# Altium PCB MainBoard_Tuan.PcbDoc
Units mil, origin at the board's own origin, x right, y up, seen from the top; angles counter-clockwise.
Board outline 10491 x 7364.35 mil, 2 copper layers (Top Layer, Bottom Layer); 44 components, 90 nets, 436 pads, 0 vias.
Unrouted connection lines stored in the file: 266.
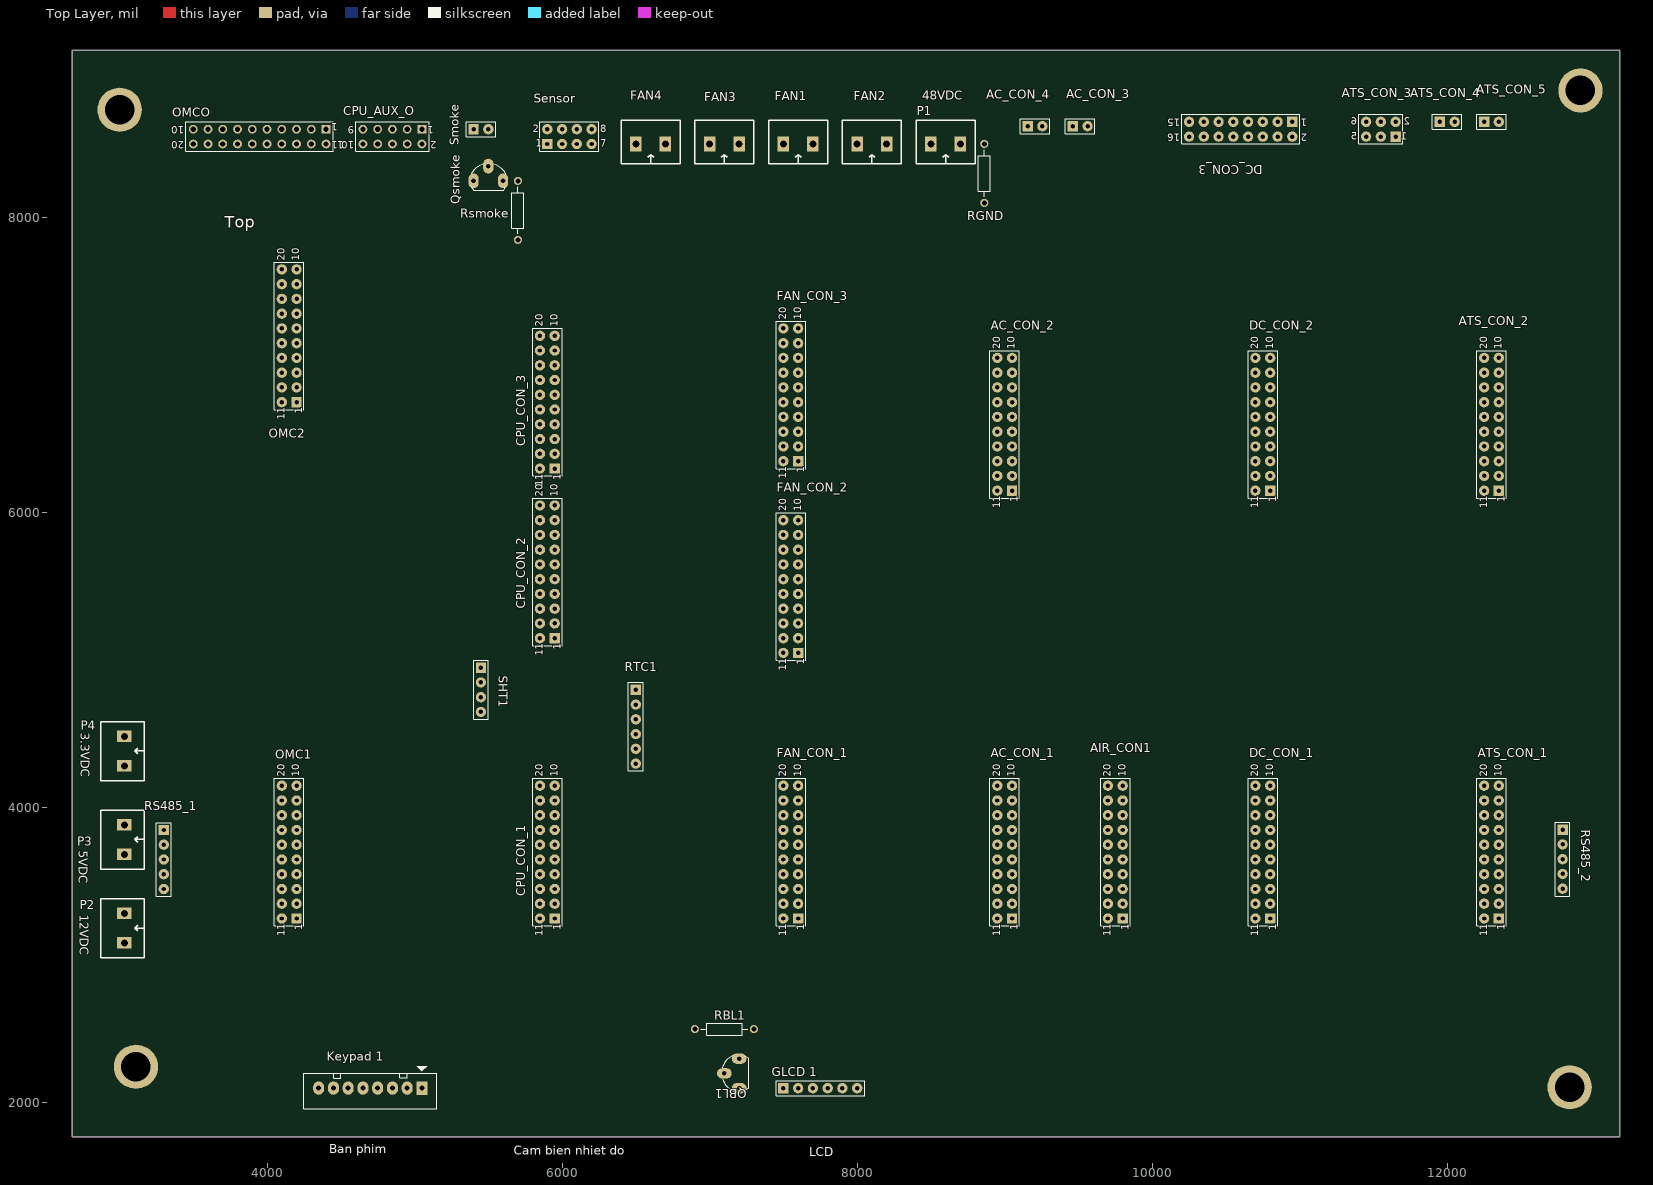
[diagram p0: Top Layer view]
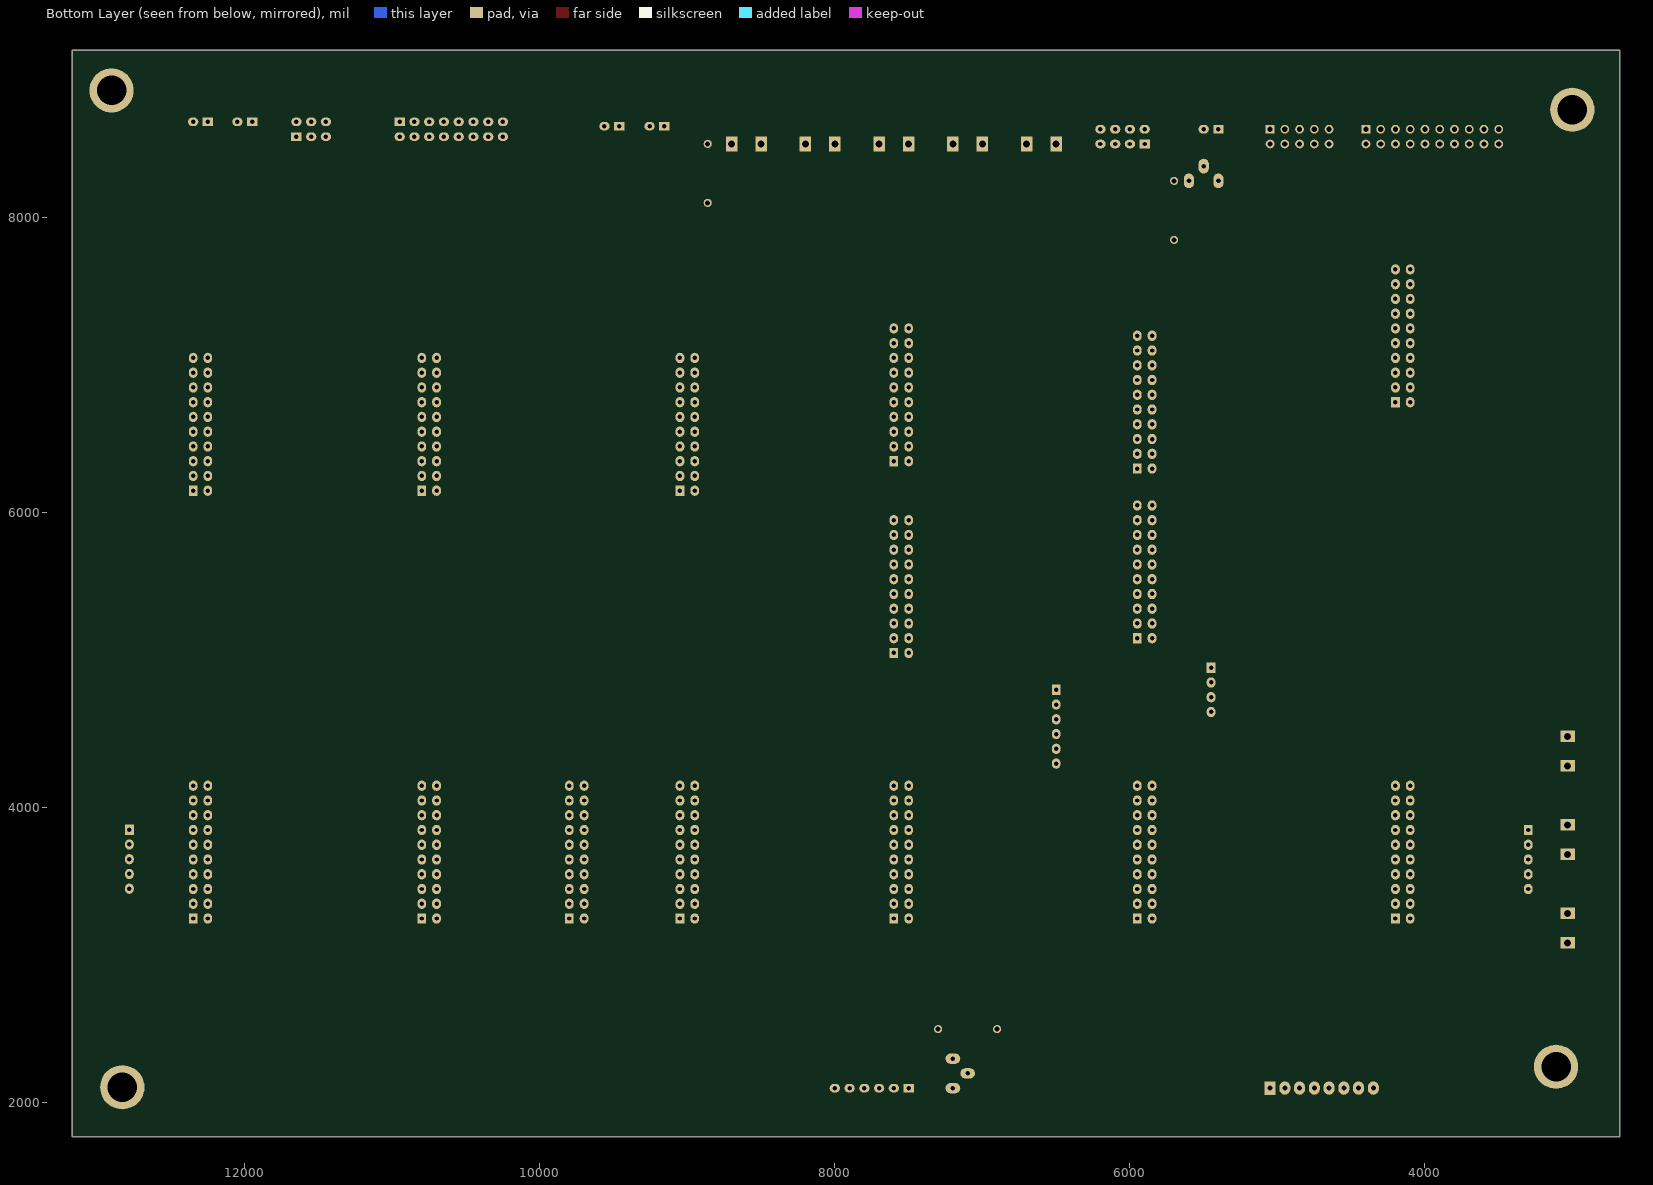
[diagram p1: Bottom Layer view, seen from below]

## Layer stack, top to bottom
Top Solder: solder mask 0.4, Solder Resist, Dk 3.5
Top Layer: signal copper 1.4
Dielectric 1: dielectric 12.6, FR-4, Dk 4.8
Bottom Layer: signal copper 1.4
Bottom Solder: solder mask 0.4, Solder Resist, Dk 3.5

## Board outline
2679,1771.65 13170,1771.65 13170,9136 2679,9136

## Design rules (kind name [scope] priority, off if disabled: settings)
Clearance Clearance_2 [All vs HasPad('FID*')] p1: gap=100
Clearance Clearance_7 [InNet('GND') vs InNet('VAC1')] p2: gap=120
Clearance Clearance_12 [InNet('VAC1') vs InNet('GND')] p3: gap=80
Clearance Clearance_11 [InNet('AGND') vs InNet('GND')] p4: gap=80
Clearance Clearance_8 [InNet('AGND') vs InNet('VAC1')] p5: gap=80
Clearance Clearance_4 [InNet('KDT4') vs (InPoly)] p6: gap=80
Clearance Clearance_5 [InNet('NetK6_2') vs (InPoly)] p7: gap=80
Clearance Clearance_6 [InNet('NetK6_3') vs (InPoly)] p8: gap=80
Clearance Clearance_3 [All vs HasFootprint('XPAD')] p9: gap=2
Clearance Clearance_1 [All vs (InPoly)] p10: gap=40
Clearance [All] p11: gap=10
ComponentClearance [All] p1 off: gap=10 collisioncheckmode=3 verticalgap=10 showdistances=FALSE
FabricationTestPointUsage TestPointUsage [All] p1: valid=0 allowmultiple=FALSE
FabricationTestpoint Testpoint [All] p1: side=3 testpointundercomponent=TRUE minsize=40 maxsize=100 preferedsize=60 minholesize=20 maxholesize=40 preferedholesize=32 testpointgrid=1 allowsidetop=TRUE allowsidebottom=TRUE usegrid=TRUE gridtolerance=0.01
HoleSize [All] p1: absolutevalues=TRUE maxlimit=1000 minlimit=0 maxpercent=80.000 minpercent=20.000
PasteMaskExpansion PasteMaskExpansion_1 [HasPad('FID*')] p1: expansion=-160
PasteMaskExpansion [All] p2: expansion=0
PolygonConnect [All] p1: connectstyle=Direct reliefconductorwidth=10 reliefentries=4 polygonreliefangle="90 Angle" airgapwidth=10
RoutingVias [All] p1: holewidth=28 width=50 viastyle="Through Hole" minholewidth=28 minwidth=50 maxholewidth=28 maxwidth=50
SolderMaskExpansion SolderMaskExpansion_1 [HasPad('FID*')] p1: expansion=40
SolderMaskExpansion [All] p2: expansion=4
Width [All] p1: maxlimit=40 minlimit=10 preferedwidth=20
25 further rules are at their usual default settings.

## Components (designator, comment, footprint, x,y, rotation, side; value= is the part's Value field where it differs from the comment)
AC_CON_1 "Header 10X2A" HDR2X10_CEN#1 9050,3250 r90 top
AC_CON_2 "Header 10X2A" HDR2X10_CEN#1 9050,6150 r90 top
AC_CON_3 "12VAC" HDR1X2 9462,8621 r0 top
AC_CON_4 "CT" HDR1X2 9156,8621 r0 top
AIR_CON1 "Header 10X2A" HDR2X10_CEN#1 9800,3250 r90 top
ATS_CON_1 "Header 10X2A" HDR2X10_CEN#1 12350,3250 r90 top
ATS_CON_2 "Header 10X2A" HDR2X10_CEN#1 12350,6150 r90 top
ATS_CON_3 "Header 3X2" HDR2X3 11650,8550 r180 top
ATS_CON_4 "CT" HDR1X2 11950,8650 r0 top
ATS_CON_5 "12VAC" HDR1X2 12250,8650 r0 top
CPU_AUX_O "Header 5X2" HDR2X5 5050,8600 r180 top
CPU_CON_1 "Header 10X2A" HDR2X10_CEN#1 5950,3250 r90 top
CPU_CON_2 "Header 10X2A" HDR2X10_CEN#1 5950,5150 r90 top
CPU_CON_3 "Header 10X2A" HDR2X10_CEN#1 5950,6300 r90 top
DC_CON_1 "Header 10X2A" HDR2X10_CEN#1 10800,3250 r90 top
DC_CON_2 "Header 10X2A" HDR2X10_CEN#1 10800,6150 r90 top
DC_CON_3 "Header 8X2" HDR2X8 10950,8650 r180 top
FAN1 "48VDC" "Medium - Header 2" 7600,8500 r180 top
FAN2 "48VDC" "Medium - Header 2" 8100,8500 r180 top
FAN3 "48VDC" "Medium - Header 2" 7100,8500 r180 top
FAN4 "48VDC" "Medium - Header 2" 6600,8500 r180 top
FAN_CON_1 "Header 10X2A" HDR2X10_CEN#1 7600,3250 r90 top
FAN_CON_2 "Header 10X2A" HDR2X10_CEN#1 7600,5050 r90 top
FAN_CON_3 "Header 10X2A" HDR2X10_CEN#1 7600,6350 r90 top
"GLCD 1" "Header 6" HDR1X6 7500,2100 r0 top
"Keypad 1" "JP8" CON8 5050,2100 r180 top
OMC1 "Header 10X2A" HDR2X10_CEN#1 4200,3250 r90 top
OMC2 "Header 10X2A" HDR2X10_CEN#1 4200,6750 r90 top
OMCO "Header 10X2A" HDR2X10_CEN#2 4400,8600 r180 top
P1 "48VDC" "Medium - Header 2" 8600,8500 r180 top
P2 "12VDC" "Medium - Header 2" 3033,3185 r270 top
P3 "5VDC" "Medium - Header 2" 3033,3785 r270 top
P4 "3.3VDC" "Medium - Header 2" 3033,4385 r270 top
QBL1 "C828" QTO-92B 7200,2200 r90 top
Qsmoke "C828" QTO-92B 5500,8250 r0 top
RBL1 "Res" AXIAL-0.4 7100,2500 r0 top
RGND "Res" AXIAL-0.4 8862,8301 r270 top
RS485_1 "Header 5" HDR1X5 3300,3850 r270 top
RS485_2 "Header 5" HDR1X5 12782,3852 r270 top
Rsmoke "Res" AXIAL-0.4 5700,8050 r90 top
RTC1 "Header 6" HDR1X6 6500,4800 r270 top
Sensor "Header 4X2" HDR2X4 5900,8500 r0 top
SHT1 "Header 4" HDR1X4 5450,4950 r270 top
Smoke "12V" HDR1X2 5400,8600 r0 top

## Footprints (in the part's own frame and the unit in brackets; to place one, negate y for a bottom-side part, rotate by r counter-clockwise, add the part's x,y. Pads: shape width x height; smd on the part's side, far side on the other; paste and mask are expansions set on the pad)
AXIAL-0.4 [mm] "Axial Device, Thru-Hole; 2 Leads; 0.4 in Pin Spacing"
  round 1.4 hole 0.85: 1(-5.08,0) 2(5.08,0)
  silkscreen extent -4.06,-1.02 4.06,1.02
CON8 [mil] "CON8"
  rect 75x90 hole 34: 1(0,0)
  oval 75x90 hole 34: 2(100,0) 3(200,0) 4(300,0) 5(400,0) 6(500,0) 7(600,0) 8(700,0)
  silkscreen extent -100,-150 800,140
HDR1X2 [mil] "Connector; Header; 2 Position"
  rect 70x70 / inner rect 70x70 / far side rect 70x59.06 hole 30: 1(0,0)
  round 70 / inner round 70 / far side oval 70x59.06 hole 30: 2(100,0)
  silkscreen extent -50,-50 150,50
HDR1X4 [mil] "Connector; Header; 4 Position"
  rect 70x70 / inner rect 70x70 / far side rect 70x59.06 hole 30: 1(0,0)
  round 70 / inner round 70 / far side oval 70x59.06 hole 30: 2(100,0) 3(200,0) 4(300,0)
  silkscreen extent -50,-50 350,50, body extent -50,-50 350,50, height 276
HDR1X5 [mil] "Connector; Header; 5 Position"
  rect 70x70 / inner rect 70x70 / far side rect 70x59.06 hole 30: 1(0,0)
  round 70 / inner round 70 / far side oval 70x59.06 hole 30: 2(100,0) 3(200,0) 4(300,0) 5(400,0)
  silkscreen extent -50,-50 450,50
HDR1X6 [mil] "Connector; Header; 6 Position"
  rect 70x70 / inner rect 70x70 / far side rect 70x59.06 hole 30: 1(0,0)
  round 70 / inner round 70 / far side oval 70x59.06 hole 30: 2(100,0) 3(200,0) 4(300,0) 5(400,0) 6(500,0)
  silkscreen extent -50,-50 550,50
HDR2X3 [mil] "Connector; Header; 3x2 Position"
  rect 70x70 / inner rect 70x70 / far side rect 70x59.06 hole 30: 1(0,0)
  round 70 / inner round 70 / far side oval 70x59.06 hole 30: 2(0,-100) 3(100,0) 4(100,-100) 5(200,0) 6(200,-100)
  silkscreen extent -50,-150 250,50
HDR2X4 [mil] "Connector; Header; 4x2 Position"
  rect 70x70 / inner rect 70x70 / far side rect 70x59.06 hole 30: 1(0,0)
  round 70 / inner round 70 / far side oval 70x59.06 hole 30: 2(0,100) 3(100,0) 4(100,100) 5(200,0) 6(200,100) 7(300,0) 8(300,100)
  silkscreen extent -50,-50 350,150
HDR2X5 [mm] "Connector; Header; 5x2 Position"
  rect 1.5x1.5 hole 0.9: 1(0,0)
  round 1.5 hole 0.9: 2(0,2.54) 3(2.54,0) 4(2.54,2.54) 5(5.08,0) 6(5.08,2.54) 7(7.62,0) 8(7.62,2.54) 9(10.16,0) 10(10.16,2.54)
  silkscreen extent -1.27,-1.27 11.43,3.81
HDR2X8 [mil] "Connector; Header; 8x2 Position"
  rect 70x70 / inner rect 70x70 / far side rect 70x59.06 hole 30: 1(0,0)
  round 70 / inner round 70 / far side oval 70x59.06 hole 30: 2(0,100) 3(100,0) 4(100,100) 5(200,0) 6(200,100) 7(300,0) 8(300,100) 9(400,0) 10(400,100) 11(500,0) 12(500,100) 13(600,0) 14(600,100) 15(700,0) 16(700,100)
  silkscreen extent -50,-50 750,150
HDR2X10_CEN#1 [mil] "Connector; Header; 10x2 Position"
  rect 70x70 / inner rect 70x70 / far side rect 70x59.06 hole 30: 1(0,0)
  round 70 / inner round 70 / far side oval 70x59.06 hole 30: 2(100,0) 3(200,0) 4(300,0) 5(400,0) 6(500,0) 7(600,0) 8(700,0) 9(800,0) 10(900,0) 11(0,100) 12(100,100) 13(200,100) 14(300,100) 15(400,100) 16(500,100) 17(600,100) 18(700,100) 19(800,100) 20(900,100)
  silkscreen extent -50,-50 950,150
HDR2X10_CEN#2 [mil] "Connector; Header; 10x2 Position"
  rect 59.06x59.06 hole 35.43: 1(0,0)
  round 59.06 hole 35.43: 2(100,0) 3(200,0) 4(300,0) 5(400,0) 6(500,0) 7(600,0) 8(700,0) 9(800,0) 10(900,0) 11(0,100) 12(100,100) 13(200,100) 14(300,100) 15(400,100) 16(500,100) 17(600,100) 18(700,100) 19(800,100) 20(900,100)
  silkscreen extent -50,-50 950,150
"Medium - Header 2" [mm]
  rect 2x2.5 hole 1.2: 1(-2.54,0) 2(2.54,0)
  silkscreen extent -5.08,-4.08 5.08,3.43, body extent -5,-4.07 5,3.43, height 10
QTO-92B [mil] "TO-92"
  oval 70x100 hole 32: 1(-100,0) 2(0,100) 3(100,0)
  silkscreen extent -117,-65 121,114

## Part data
AC_CON_1 AC_CON_2 AIR_CON1 ATS_CON_1 ATS_CON_2 CPU_CON_1 CPU_CON_2 CPU_CON_3 DC_CON_1 DC_CON_2 FAN_CON_1 FAN_CON_2 FAN_CON_3 OMC1 OMC2 OMCO: "Header, 10-Pin, Dual row"
AC_CON_3 AC_CON_4 ATS_CON_4 ATS_CON_5 Smoke: library part "Header 2", "Header, 2-Pin"
ATS_CON_3: "Header, 3-Pin, Dual row"
CPU_AUX_O: "Header, 5-Pin, Dual row"
DC_CON_3: "Header, 8-Pin, Dual row"
FAN1 FAN2 FAN3 FAN4 P1 P2 P3 P4: library part "Header 2 - M", "Header, 2-Pin, Medium"
"GLCD 1" RTC1: "Header, 6-Pin"
"Keypad 1": library part Con8, "Connector 8"
QBL1 Qsmoke: library part NPN, "Transistor C828 C1815...."
RS485_1 RS485_2: "Header, 5-Pin"
Sensor: "Header, 4-Pin, Dual row"
SHT1: "Header, 4-Pin"

## Free pads (board coordinates)
  round 300 hole 200: 0(3001,8732) 0(3111,2245) 0(12830,2106) 0(12903,8863)

## Nets (pads, with @x,y where several pads share a name; then routed paths per layer and width w, separated by ;. In a path a pad name is that pad's centre, name@x,y a point inside that pad or via, vN(x,y) a via of type N, cw(c..) or ccw(c..) an arc to the next point about the centre after c; other vN are vias at no path point)
+3V3: AC_CON_1.7 AC_CON_1.17 AIR_CON1.7 AIR_CON1.17 ATS_CON_1.7 ATS_CON_1.17 CPU_CON_1.7 CPU_CON_1.17 DC_CON_1.7 DC_CON_1.17 FAN_CON_1.7 FAN_CON_1.17 OMC1.7 OMC1.17 P4.2 RTC1.5 SHT1.3
+5V_IN: "GLCD 1.5" AC_CON_1.3 AC_CON_1.13 AIR_CON1.3 AIR_CON1.13 ATS_CON_1.3 ATS_CON_1.13 CPU_CON_1.3 CPU_CON_1.13 CPU_CON_2.7 DC_CON_1.3 DC_CON_1.13 FAN_CON_1.3 FAN_CON_1.13 OMC1.3 OMC1.13 P3.2 RS485_1.5 RS485_2.5
+12V_IN: AC_CON_1.1 AC_CON_1.11 AIR_CON1.1 AIR_CON1.11 ATS_CON_1.1 ATS_CON_1.11 CPU_CON_1.1 CPU_CON_1.11 DC_CON_1.1 DC_CON_1.11 DC_CON_3.1 FAN_CON_1.1 FAN_CON_1.11 OMC1.1 OMC1.11 P2.2 Sensor.2 Sensor.4 Sensor.6 Sensor.8 Smoke.1
+48V_IN: ATS_CON_3.2 ATS_CON_3.4 ATS_CON_3.6 FAN1.1 FAN2.1 FAN3.1 FAN4.1 FAN_CON_2.10 FAN_CON_2.20 P1.2
AUX1: CPU_AUX_O.2 CPU_CON_3.19
AUX2: CPU_AUX_O.4 CPU_CON_3.18
AUX3: CPU_AUX_O.6 CPU_CON_3.17
AUX4: CPU_AUX_O.8 CPU_CON_3.16
AUX5: CPU_AUX_O.10 CPU_CON_3.15
AUX6: CPU_AUX_O.3 CPU_CON_3.14
AUX7: CPU_AUX_O.5 CPU_CON_3.13
AUX8: CPU_AUX_O.7 CPU_CON_3.12
AUX9: CPU_AUX_O.9 CPU_CON_3.11
CF: AC_CON_2.4
COLUM1: "Keypad 1.5" CPU_CON_2.17
COLUM2: "Keypad 1.6" CPU_CON_2.18
COLUM3: "Keypad 1.7" CPU_CON_2.19
COLUM4: "Keypad 1.8" CPU_CON_2.20
COM1: OMC2.16 OMCO.16
COM2: OMC2.17 OMCO.17
COM3: OMC2.18 OMCO.18
COM4: OMC2.19 OMCO.19
COM5: OMC2.20 OMCO.20
COM6: OMC2.11 OMCO.11
COM7: OMC2.12 OMCO.12
COM8: OMC2.13 OMCO.13
COM9: OMC2.14 OMCO.14
COM10: OMC2.15 OMCO.15
CTA: AC_CON_2.10 AC_CON_4.1
CTB: AC_CON_2.9 AC_CON_4.2
DC0: DC_CON_2.10 DC_CON_3.16
DC1: DC_CON_2.9 DC_CON_3.14
DC2: DC_CON_2.8 DC_CON_3.12
DC3: DC_CON_2.7 DC_CON_3.10
DC4: DC_CON_2.6 DC_CON_3.8
DC5: DC_CON_2.5 DC_CON_3.6
DC6: DC_CON_2.4 DC_CON_3.4
FAN1_OUT: FAN1.2 FAN_CON_3.16 FAN_CON_3.17 FAN_CON_3.18 FAN_CON_3.19 FAN_CON_3.20
FAN2_OUT: FAN2.2 FAN_CON_3.11 FAN_CON_3.12 FAN_CON_3.13 FAN_CON_3.14 FAN_CON_3.15
FAN3_OUT: FAN3.2 FAN_CON_3.6 FAN_CON_3.7 FAN_CON_3.8 FAN_CON_3.9 FAN_CON_3.10
FAN4_OUT: FAN4.2 FAN_CON_3.1 FAN_CON_3.2 FAN_CON_3.3 FAN_CON_3.4 FAN_CON_3.5
GATEA: CPU_CON_3.10 Sensor.7
GCF: ATS_CON_2.4
GCTA: ATS_CON_2.10 ATS_CON_4.1
GCTB: ATS_CON_2.9 ATS_CON_4.2
GLCD_BL: CPU_CON_2.3 RBL1.1
GLCD_EN: "GLCD 1.2" CPU_CON_2.4
GLCD_RS: "GLCD 1.4" CPU_CON_2.6
GLCD_RW: "GLCD 1.3" CPU_CON_2.5
GLIVE_IN: ATS_CON_2.5 ATS_CON_5.2
GND: "GLCD 1.6" AC_CON_1.2 AC_CON_1.4 AC_CON_1.12 AC_CON_1.14 AIR_CON1.2 AIR_CON1.4 AIR_CON1.12 AIR_CON1.14 ATS_CON_1.2 ATS_CON_1.4 ATS_CON_1.12 ATS_CON_1.14 CPU_CON_1.2 CPU_CON_1.4 CPU_CON_1.12 CPU_CON_1.14 CPU_CON_2.8 DC_CON_1.2 DC_CON_1.4 DC_CON_1.12 DC_CON_1.14 DC_CON_3.3 DC_CON_3.5 DC_CON_3.7 DC_CON_3.9 DC_CON_3.11 DC_CON_3.13 DC_CON_3.15 FAN_CON_1.2 FAN_CON_1.4 FAN_CON_1.12 FAN_CON_1.14 OMC1.2 OMC1.4 OMC1.12 OMC1.14 P2.1 P3.1 P4.1 QBL1.1 RGND.2 RS485_1.4 RS485_2.4 RTC1.6 SHT1.4
GNEUTRAL_IN: ATS_CON_2.6 ATS_CON_5.1
I2C_SCL: CPU_CON_2.2 RTC1.3
I2C_SDA: CPU_CON_2.1 RTC1.4
IDC: AC_CON_1.9 AC_CON_1.19 AIR_CON1.9 AIR_CON1.19 ATS_CON_1.9 ATS_CON_1.19 CPU_CON_1.9 CPU_CON_1.19 DC_CON_1.9 DC_CON_1.19 FAN_CON_1.9 FAN_CON_1.19 OMC1.9 OMC1.19 RS485_1.1 RS485_2.1
IRA+: AIR_CON1.10
IRB+: AIR_CON1.20
LIVE_IN: AC_CON_2.5 AC_CON_3.2
NC1: OMC2.6 OMCO.6
"NetGLCD 1_1": "GLCD 1.1" QBL1.2
NetQBL1_1: QBL1.3 RBL1.2
NetQsmoke_1: Qsmoke.3 Rsmoke.2
NetQsmoke_2: Qsmoke.2 Smoke.2
NEUTRAL_IN: AC_CON_2.6 AC_CON_3.1
NO2: OMC2.7 OMCO.7
NO3: OMC2.8 OMCO.8
NO4: OMC2.9 OMCO.9
NO5: OMC2.10 OMCO.10
NO6: OMC2.1 OMCO.1
NO7: OMC2.2 OMCO.2
NO8: OMC2.3 OMCO.3
NO9: OMC2.4 OMCO.4
NO10: OMC2.5 OMCO.5
OC_GC: ATS_CON_2.12 ATS_CON_3.3
OC_MC: ATS_CON_2.13 ATS_CON_3.1
OC_SC: ATS_CON_2.11 ATS_CON_3.5
PGND: FAN_CON_2.1 FAN_CON_2.2 FAN_CON_2.3 FAN_CON_2.4 FAN_CON_2.5 FAN_CON_2.6 FAN_CON_2.7 FAN_CON_2.8 FAN_CON_2.9 FAN_CON_2.11 FAN_CON_2.12 FAN_CON_2.13 FAN_CON_2.14 FAN_CON_2.15 FAN_CON_2.16 FAN_CON_2.17 FAN_CON_2.18 FAN_CON_2.19 P1.1 Qsmoke.1 RGND.1
"PIR A": CPU_CON_3.7 Sensor.1
ROW1: "Keypad 1.1" CPU_CON_2.13
ROW2: "Keypad 1.2" CPU_CON_2.14
ROW3: "Keypad 1.3" CPU_CON_2.15
ROW4: "Keypad 1.4" CPU_CON_2.16
RS485A: AC_CON_1.5 AC_CON_1.15 AIR_CON1.5 AIR_CON1.15 ATS_CON_1.5 ATS_CON_1.15 CPU_CON_1.5 CPU_CON_1.15 DC_CON_1.5 DC_CON_1.15 FAN_CON_1.5 FAN_CON_1.15 OMC1.5 OMC1.15 RS485_1.3 RS485_2.3
RS485B: AC_CON_1.6 AC_CON_1.16 AIR_CON1.6 AIR_CON1.16 ATS_CON_1.6 ATS_CON_1.16 CPU_CON_1.6 CPU_CON_1.16 DC_CON_1.6 DC_CON_1.16 FAN_CON_1.6 FAN_CON_1.16 OMC1.6 OMC1.16 RS485_1.2 RS485_2.2
SHT_SCL: CPU_CON_2.11 SHT1.2
SHT_SDA: CPU_CON_2.12 SHT1.1
"SMOKE A": CPU_CON_3.9 Sensor.5
"SMOKE POWER": CPU_CON_3.20 Rsmoke.1
TEMP-: DC_CON_2.3 DC_CON_3.2
"WATER A": CPU_CON_3.8 Sensor.3
pads on no net: AC_CON_1.8 AC_CON_1.10 AC_CON_1.18 AC_CON_1.20 AC_CON_2.1 AC_CON_2.2 AC_CON_2.3 AC_CON_2.7 AC_CON_2.8 AC_CON_2.11 AC_CON_2.12 AC_CON_2.13 AC_CON_2.14 AC_CON_2.15 AC_CON_2.16 AC_CON_2.17 AC_CON_2.18 AC_CON_2.19 AC_CON_2.20 AIR_CON1.8 AIR_CON1.18 ATS_CON_1.8 ATS_CON_1.10 ATS_CON_1.18 ATS_CON_1.20 ATS_CON_2.1 ATS_CON_2.2 ATS_CON_2.3 ATS_CON_2.7 ATS_CON_2.8 ATS_CON_2.14 ATS_CON_2.15 ATS_CON_2.16 ATS_CON_2.17 ATS_CON_2.18 ATS_CON_2.19 ATS_CON_2.20 CPU_AUX_O.1 CPU_CON_1.8 CPU_CON_1.10 CPU_CON_1.18 CPU_CON_1.20 CPU_CON_2.9 CPU_CON_2.10 CPU_CON_3.1 CPU_CON_3.2 CPU_CON_3.3 CPU_CON_3.4 CPU_CON_3.5 CPU_CON_3.6 DC_CON_1.8 DC_CON_1.10 DC_CON_1.18 DC_CON_1.20 DC_CON_2.1 DC_CON_2.2 DC_CON_2.11 DC_CON_2.12 DC_CON_2.13 DC_CON_2.14 DC_CON_2.15 DC_CON_2.16 DC_CON_2.17 DC_CON_2.18 DC_CON_2.19 DC_CON_2.20 FAN_CON_1.8 FAN_CON_1.10 FAN_CON_1.18 FAN_CON_1.20 OMC1.8 OMC1.10 OMC1.18 OMC1.20 RTC1.1 RTC1.2

## Keep-outs
Keep-Out Layer:
  the board outline again, w5.91

## Silkscreen, mask and mechanical layers (free items; w line width, h text height)
Top Overlay:
  text "Dau vao do AC" at 11648,9749 h60
  text "Dau vao do DC" at 9800,9522 h60
  text "Dau vao cac cam bien" at 4643,9381 h60
  text "Dau ra quat" at 7100,9380 h60
  text "48VDC" at 8440,8800 h60
  text "Top" at 3712,7933 h80
  text "3.3VDC" at 2738,4510 h60 r270
  text "5VDC" at 2724,3710 h60 r270
  text "12VDC" at 2730,3277 h60 r270
  text "Ban phim" at 4422,1658 h60
  text "Cam bien nhiet do" at 5671,1648 h60
  text "LCD" at 7676,1637 h60

## Dimensions
3111,2245 to 3001,8732 on Top Overlay
2679,9136 to 2679,1771.65 on Top Overlay
2685,9968 to 6359,9645 on Top Overlay
4598,10190 to 5878,10251 on Top Overlay
2688,9235 to 5874,9201 on Top Overlay
2679,9136 to 4585,9659 on Top Overlay
2695,1251 to 7450,2050 on Top Overlay
2692,1307 to 5500,5000 on Top Overlay
2679,1771.65 to 4250,1798 on Top Overlay
3111,2245 to 2679,1771.65 on Top Overlay
3111,2245 to 12830,2106 on Top Overlay
2691,1799 to 13183,1830 on Top Overlay
3110.24,7795.28 to 3149.61,2952.76 on Top Overlay

## Text inside footprints (layer, text, board x,y; h text height)
AC_CON_1: Top Overlay "1" at 9090,3170 h50 r90; Top Overlay "1" at 8970,3130 h50 r90; Top Overlay "1" at 8970,3170 h50 r90; Top Overlay "10" at 9070,4210 h50 r90; Top Overlay "20" at 8970,4210 h50 r90
AC_CON_2: Top Overlay "1" at 9090,6070 h50 r90; Top Overlay "1" at 8970,6030 h50 r90; Top Overlay "1" at 8970,6070 h50 r90; Top Overlay "10" at 9070,7110 h50 r90; Top Overlay "20" at 8970,7110 h50 r90
AIR_CON1: Top Overlay "20" at 9720,4210 h50 r90; Top Overlay "10" at 9820,4210 h50 r90; Top Overlay "1" at 9720,3170 h50 r90; Top Overlay "1" at 9720,3130 h50 r90; Top Overlay "1" at 9840,3170 h50 r90
ATS_CON_1: Top Overlay "20" at 12270,4210 h50 r90; Top Overlay "10" at 12370,4210 h50 r90; Top Overlay "1" at 12270,3170 h50 r90; Top Overlay "1" at 12270,3130 h50 r90; Top Overlay "1" at 12390,3170 h50 r90
ATS_CON_2: Top Overlay "20" at 12270,7110 h50 r90; Top Overlay "10" at 12370,7110 h50 r90; Top Overlay "1" at 12270,6070 h50 r90; Top Overlay "1" at 12270,6030 h50 r90; Top Overlay "1" at 12390,6070 h50 r90
ATS_CON_3: Top Overlay "1" at 11730,8530 h50; Top Overlay "2" at 11750,8630 h50; Top Overlay "5" at 11390,8530 h50; Top Overlay "6" at 11390,8630 h50
CPU_AUX_O: Top Overlay "10" at 4590,8520 h50 r180; Top Overlay "9" at 4590,8620 h50 r180; Top Overlay "1" at 5130,8620 h50 r180; Top Overlay "2" at 5150,8520 h50 r180
CPU_CON_1: Top Overlay "1" at 5990,3170 h50 r90; Top Overlay "1" at 5870,3130 h50 r90; Top Overlay "1" at 5870,3170 h50 r90; Top Overlay "10" at 5970,4210 h50 r90; Top Overlay "20" at 5870,4210 h50 r90
CPU_CON_2: Top Overlay "1" at 5990,5070 h50 r90; Top Overlay "1" at 5870,5030 h50 r90; Top Overlay "1" at 5870,5070 h50 r90; Top Overlay "10" at 5970,6110 h50 r90; Top Overlay "20" at 5870,6110 h50 r90
CPU_CON_3: Top Overlay "1" at 5990,6220 h50 r90; Top Overlay "1" at 5870,6180 h50 r90; Top Overlay "1" at 5870,6220 h50 r90; Top Overlay "10" at 5970,7260 h50 r90; Top Overlay "20" at 5870,7260 h50 r90
DC_CON_1: Top Overlay "1" at 10840,3170 h50 r90; Top Overlay "1" at 10720,3130 h50 r90; Top Overlay "1" at 10720,3170 h50 r90; Top Overlay "10" at 10820,4210 h50 r90; Top Overlay "20" at 10720,4210 h50 r90
DC_CON_2: Top Overlay "1" at 10840,6070 h50 r90; Top Overlay "1" at 10720,6030 h50 r90; Top Overlay "1" at 10720,6070 h50 r90; Top Overlay "10" at 10820,7110 h50 r90; Top Overlay "20" at 10720,7110 h50 r90
DC_CON_3: Top Overlay "16" at 10190,8570 h50 r180; Top Overlay "15" at 10190,8670 h50 r180; Top Overlay "1" at 11050,8670 h50 r180; Top Overlay "2" at 11050,8570 h50 r180
FAN_CON_1: Top Overlay "1" at 7640,3170 h50 r90; Top Overlay "1" at 7520,3130 h50 r90; Top Overlay "1" at 7520,3170 h50 r90; Top Overlay "10" at 7620,4210 h50 r90; Top Overlay "20" at 7520,4210 h50 r90
FAN_CON_2: Top Overlay "1" at 7640,4970 h50 r90; Top Overlay "1" at 7520,4930 h50 r90; Top Overlay "1" at 7520,4970 h50 r90; Top Overlay "10" at 7620,6010 h50 r90; Top Overlay "20" at 7520,6010 h50 r90
FAN_CON_3: Top Overlay "1" at 7640,6270 h50 r90; Top Overlay "1" at 7520,6230 h50 r90; Top Overlay "1" at 7520,6270 h50 r90; Top Overlay "10" at 7620,7310 h50 r90; Top Overlay "20" at 7520,7310 h50 r90
OMC1: Top Overlay "20" at 4120,4210 h50 r90; Top Overlay "10" at 4220,4210 h50 r90; Top Overlay "1" at 4120,3170 h50 r90; Top Overlay "1" at 4120,3130 h50 r90; Top Overlay "1" at 4240,3170 h50 r90
OMC2: Top Overlay "20" at 4120,7710 h50 r90; Top Overlay "10" at 4220,7710 h50 r90; Top Overlay "1" at 4120,6670 h50 r90; Top Overlay "1" at 4120,6630 h50 r90; Top Overlay "1" at 4240,6670 h50 r90
OMCO: Top Overlay "20" at 3440,8520 h50 r180; Top Overlay "10" at 3440,8620 h50 r180; Top Overlay "1" at 4480,8520 h50 r180; Top Overlay "1" at 4520,8520 h50 r180; Top Overlay "1" at 4480,8640 h50 r180
Sensor: Top Overlay "8" at 6260,8580 h50; Top Overlay "7" at 6260,8480 h50; Top Overlay "1" at 5820,8480 h50; Top Overlay "2" at 5800,8580 h50